# Altium PCB Booster_Main_Board.PcbDoc (part 6 of 13)
Units mm, origin at the board's own origin, x right, y up, seen from the top; angles counter-clockwise.
Board outline 400.01 x 117.51 mm, 4 copper layers (Component Side, Signal Layer 1, Power Plane, Solder Side), stack 1.604 mm thick; 1091 components, 573 nets, 3133 pads, 1954 vias.
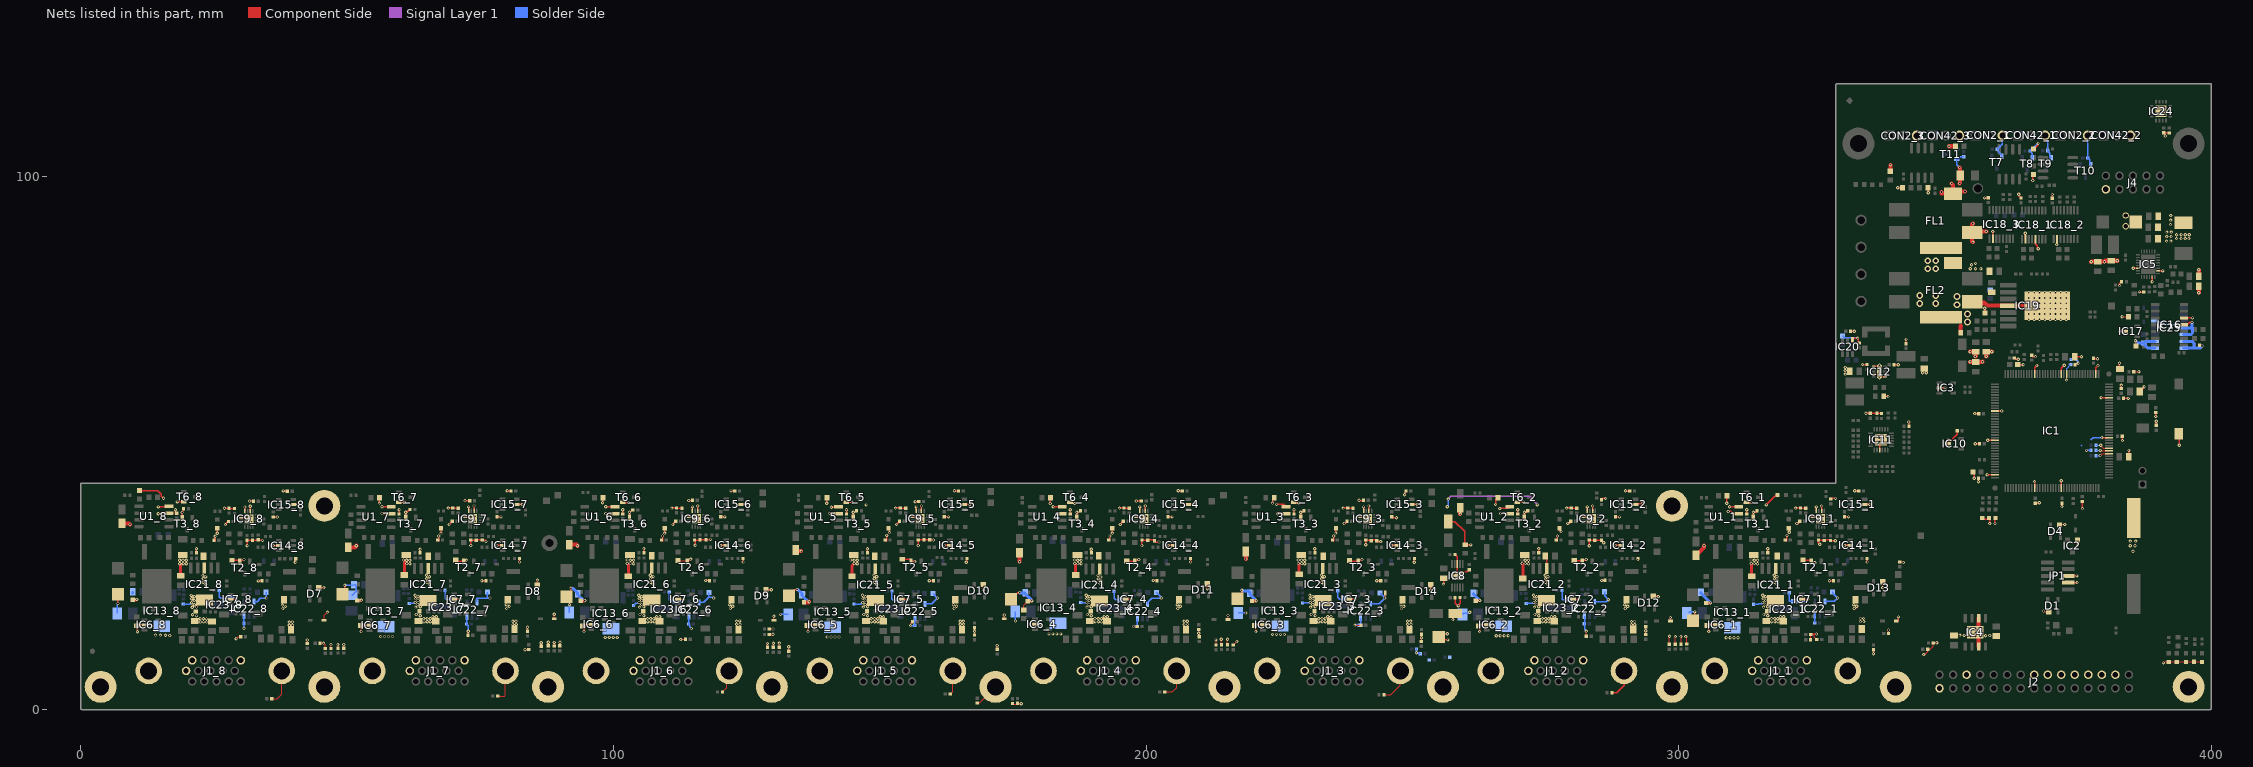
[diagram p8: the nets of this part, all layers, seen from the top]

## Via types
v1: diameter 0.6, hole 0.3, Component Side to Solder Side, tented both sides, 1808 vias
v2: diameter 0.6, hole 0.3, Component Side to Solder Side, 77 vias
v3: diameter 0.5, hole 0.3, Component Side to Solder Side, 40 vias
v4: diameter 1.27, hole 0.711, Component Side to Solder Side, tented both sides, 24 vias
v5: diameter 1.2, hole 0.8, Component Side to Solder Side, tented both sides, 5 vias

## Nets (pads, with @x,y where several pads share a name; then routed paths per layer and width w, separated by ;. In a path a pad name is that pad's centre, name@x,y a point inside that pad or via, vN(x,y) a via of type N, cw(c..) or ccw(c..) an arc to the next point about the centre after c; other vN are vias at no path point) (continued)
GND: C1.2 C2.2 C3.2 C4.2 C5.2 C6.2 C7.2 C8.2 C9.2 C10.2 C11.2 C12.2 C13.2 C14.2 C15.2 C16.2 C17.1 C18.1 C19_1.1 C19_2.1 C19_3.1 C19_4.1 C19_5.1 C19_6.1 C19_7.1 C19_8.1 C20_1.1 C20_2.1 C20_3.1 C20_4.1 C20_5.1 C20_6.1 C20_7.1 C20_8.1 C21.1 C22.1 C24.1 C25.1 C28.1 C29.1 C30.1 C31.1 C32_1.1 C32_2.1 C32_3.1 C32_4.1 C32_5.1 C32_6.1 C32_7.1 C32_8.1 C33_1.1 C33_2.1 C33_3.1 C33_4.1 C33_5.1 C33_6.1 C33_7.1 C33_8.1 C34_1.1 C34_2.1 C34_3.1 C34_4.1 C34_5.1 C34_6.1 C34_7.1 C34_8.1 C36_1.1 C36_2.1 C36_3.1 C36_4.1 C36_5.1 C36_6.1 C36_7.1 C36_8.1 C37_1.1 C37_2.1 C37_3.1 C37_4.1 C37_5.1 C37_6.1 C37_7.1 C37_8.1 C38.1 C39_1.2 C39_2.2 C39_3.2 C39_4.2 C39_5.2 C39_6.2 C39_7.2 C39_8.2 C40.1 C41_1.1 C41_2.1 C41_3.1 C41_4.1 C41_5.1 C41_6.1 C41_7.1 C41_8.1 C42_1.2 C42_2.2 C42_3.2 C42_4.2 C42_5.2 C42_6.2 C42_7.2 C42_8.2 C43.2 C44_1.2 C44_2.2 C44_3.2 C44_4.2 C44_5.2 C44_6.2 C44_7.2 C44_8.2 C45_1.2 C45_2.2 C45_3.2 C45_4.2 C45_5.2 C45_6.2 C45_7.2 C45_8.2 C47_1.1 C47_2.1 C47_3.1 C47_4.1 C47_5.1 C47_6.1 C47_7.1 C47_8.1 C48_1.1 C48_2.1 C48_3.1 C48_4.1 C48_5.1 C48_6.1 C48_7.1 C48_8.1 C49_1.2 C49_2.2 C49_3.2 C49_4.2 C49_5.2 C49_6.2 C49_7.2 C49_8.2 C50.1 C51.1 C52.2 C53.2 C54.2 C55.1 C56.1 C57.1 C58.1 C60_1.1 C60_2.1 C60_3.1 C60_4.1 C60_5.1 C60_6.1 C60_7.1 C60_8.1 C61.2 C63.1 C64.1 C65.2 C66.1 C67_1.2 C67_2.2 C67_3.2 C67_4.2 C67_5.2 C67_6.2 C67_7.2 C67_8.2 C68.1 C69.1 C70.1 C73_1.2 C73_2.2 C73_3.2 C73_4.2 C73_5.2 C73_6.2 C73_7.2 C73_8.2 C74.1 C75.1 C76.1 C77_1.2 C77_2.2 C77_3.2 C77_4.2 C77_5.2 C77_6.2 C77_7.2 C77_8.2 C78_1.2 C78_2.2 C78_3.2 C78_4.2 C78_5.2 C78_6.2 C78_7.2 C78_8.2 C79_1.2 C79_2.2 C79_3.2 C79_4.2 C79_5.2 C79_6.2 C79_7.2 C79_8.2 C80_1.2 C80_2.2 C80_3.2 C80_4.2 C80_5.2 C80_6.2 C80_7.2 C80_8.2 C81_1.2 C81_2.2 C81_3.2 C81_4.2 C81_5.2 C81_6.2 C81_7.2 C81_8.2 C82_1.2 C82_2.2 C82_3.2 C82_4.2 C82_5.2 C82_6.2 C82_7.2 C82_8.2 C83_1.2 C83_2.2 C83_3.2 C83_4.2 C83_5.2 C83_6.2 C83_7.2 C83_8.2 C84_1.2 C84_2.2 C84_3.2 C84_4.2 C84_5.2 C84_6.2 C84_7.2 C84_8.2 C85_1.2 C85_2.2 C85_3.2 C85_4.2 C85_5.2 C85_6.2 C85_7.2 C85_8.2 C86_1.2 C86_2.2 C86_3.2 C86_4.2 C86_5.2 C86_6.2 C86_7.2 C86_8.2 C87_1.2 C87_2.2 C87_3.2 C87_4.2 C87_5.2 C87_6.2 C87_7.2 C87_8.2 C88.1 C89_1.2 C89_2.2 C89_3.2 C89_4.2 C89_5.2 C89_6.2 C89_7.2 C89_8.2 C109_1.1 C109_2.1 C109_3.1 C110_1.1 C110_2.1 C110_3.1 C113_1.1 C113_2.1 C113_3.1 C122.1 C139.2 CON2_1.3 CON2_2.3 CON2_3.3 CON42_1.3 CON42_2.3 CON42_3.3 D1.1 D4.1 D6_1.1 D6_2.1 D6_3.1 D6_4.1 D6_5.1 D6_6.1 D6_7.1 D6_8.1 D7.1 D8.1 D9.1 D10.1 D11.1 D12.1 D13.1 D14.1 FL1.4 FL2.4 IC1.16 IC1.31 IC1.38 IC1.51 IC1.61 IC1.83 IC1.94 IC1.107 IC1.120 IC1.130 IC2.1 IC3.2 IC4.3 IC4.6 IC4.9 IC5.6 IC5.13 IC5.16 IC6_1.2 IC6_2.2 IC6_3.2 IC6_4.2 IC6_5.2 IC6_6.2 IC6_7.2 IC6_8.2 IC7_1.2 IC7_2.2 IC7_3.2 IC7_4.2 IC7_5.2 IC7_6.2 IC7_7.2 IC7_8.2 IC8.8 IC8.11 IC9_1.6 IC9_1.8 IC9_1.10 IC9_1.17 IC9_2.6 IC9_2.8 IC9_2.10 IC9_2.17 IC9_3.6 IC9_3.8 IC9_3.10 IC9_3.17 IC9_4.6 IC9_4.8 IC9_4.10 IC9_4.17 IC9_5.6 IC9_5.8 IC9_5.10 IC9_5.17 IC9_6.6 IC9_6.8 IC9_6.10 IC9_6.17 IC9_7.6 IC9_7.8 IC9_7.10 IC9_7.17 IC9_8.6 IC9_8.8 IC9_8.10 IC9_8.17 IC10.3 IC11.9 IC11.25 IC12.1 IC12.4 IC12.6 IC12.11 IC13_1.5 IC13_2.5 IC13_3.5 IC13_4.5 IC13_5.5 IC13_6.5 IC13_7.5 IC13_8.5 IC14_1.2 IC14_2.2 IC14_3.2 IC14_4.2 IC14_5.2 IC14_6.2 IC14_7.2 IC14_8.2 IC15_1.2 IC15_2.2 IC15_3.2 IC15_4.2 IC15_5.2 IC15_6.2 IC15_7.2 IC15_8.2 IC16.11 IC16.12 IC17.3 IC18_1.10 IC18_1.13 IC18_2.10 IC18_3.10 IC19.4 IC19.8 IC20.1 IC21_1.3 IC21_1.6 IC21_2.3 IC21_2.6 IC21_3.3 IC21_3.6 IC21_4.3 IC21_4.6 IC21_5.3 IC21_5.6 IC21_6.3 IC21_6.6 IC21_7.3 IC21_7.6 IC21_8.3 IC21_8.6 IC22_1.3 IC22_1.5 IC22_2.3 IC22_2.5 IC22_3.3 IC22_3.5 IC22_4.3 IC22_4.5 IC22_5.3 IC22_5.5 IC22_6.3 IC22_6.5 IC22_7.3 IC22_7.5 IC22_8.3 IC22_8.5 IC23_1.1 IC23_2.1 IC23_3.1 IC23_4.1 IC23_5.1 IC23_6.1 IC23_7.1 IC23_8.1 IC24.17 IC25.4 IC25.5 IC25.6 IC25.7 IC25.8 IC25.9 IC25.12 J1_1.6 J1_1.11 J1_1.15 J1_1.16 J1_1.17 J1_2.6 J1_2.11 J1_2.15 J1_2.16 J1_2.17 J1_3.6 J1_3.11 J1_3.15 J1_3.16 J1_3.17 J1_4.6 J1_4.11 J1_4.15 J1_4.16 J1_4.17 J1_5.6 J1_5.11 J1_5.15 J1_5.16 J1_5.17 J1_6.6 J1_6.11 J1_6.15 J1_6.16 J1_6.17 J1_7.6 J1_7.11 J1_7.15 J1_7.16 J1_7.17 J1_8.6 J1_8.11 J1_8.15 J1_8.16 J1_8.17 J2.3 J2.5 J2.7 J2.9 J2.11 J2.13 J2.15 J2.25 J2.30 J4.10 JP1.3 JP1.5 L3.2 LD1_1.1 LD1_2.1 LD1_3.1 LD1_4.1 LD1_5.1 LD1_6.1 LD1_7.1 LD1_8.1 LD2_1.1 LD2_2.1 LD2_3.1 LD2_4.1 LD2_5.1 LD2_6.1 LD2_7.1 LD2_8.1 LD3.1 LD5.1 LD9.1 LD10.1 LD11.1 LD12_1.2 LD12_2.2 LD12_3.2 LD12_4.2 LD12_5.2 LD12_6.2 LD12_7.2 LD12_8.2 LD16.1 LD17.1 LD18.2 LD19.1 pad.0 pad.1 pad.2 pad.3 pad.4 pad.5 pad.8 PB1.2 R2.1 R4.2 R9_1.1 R9_2.1 R9_3.1 R9_4.1 R9_5.1 R9_6.1 R9_7.1 R9_8.1 R13_1.1 R13_2.1 R13_3.1 R13_4.1 R13_5.1 R13_6.1 R13_7.1 R13_8.1 R16.1 R18.1 R31.1 R34_1.2 R34_2.2 R34_3.2 R34_4.2 R34_5.2 R34_6.2 R34_7.2 R34_8.2 R40_1.2 R40_2.2 R40_3.2 R40_4.2 R40_5.2 R40_6.2 R40_7.2 R40_8.2 R43_1.1 R43_2.1 R43_3.1 R43_4.1 R43_5.1 R43_6.1 R43_7.1 R43_8.1 R46_1.1 R46_2.1 R46_3.1 R46_4.1 R46_5.1 R46_6.1 R46_7.1 R46_8.1 R47.2 R48.1 R50_1.2 R50_2.2 R50_3.2 R50_4.2 R50_5.2 R50_6.2 R50_7.2 R50_8.2 R54.1 R59_1.2 R59_2.2 R59_3.2 R59_4.2 R59_5.2 R59_6.2 R59_7.2 R59_8.2 R66.1 R67.1 R69.1 R82.1 R85_1.1 R85_2.1 R85_3.1 R85_4.1 R85_5.1 R85_6.1 R85_7.1 R85_8.1 R86.1 R90_1.1 R90_2.1 R90_3.1 R90_4.1 R90_5.1 R90_6.1 R90_7.1 R90_8.1 R95.2 R97.1 R99.1 R118.2 R120.2 R121.2 R123_1.1 R123_2.1 R123_3.1 R123_4.1 R123_5.1 R123_6.1 R123_7.1 R123_8.1 R125.2 R134.1 R135.1 R136.1 R137.1 R138.1 R139.1 R143.1 T2_1.2 T2_2.2 T2_3.2 T2_4.2 T2_5.2 T2_6.2 T2_7.2 T2_8.2 T3_1.2 T3_2.2 T3_3.2 T3_4.2 T3_5.2 T3_6.2 T3_7.2 T3_8.2 T6_1.2 T6_2.2 T6_3.2 T6_4.2 T6_5.2 T6_6.2 T6_7.2 T6_8.2 T7.2 T8.2 T9.2 T10.2 T11.2 U1_1.3 U1_1.4 U1_2.3 U1_2.4 U1_3.3 U1_3.4 U1_4.3 U1_4.4 U1_5.3 U1_5.4 U1_6.3 U1_6.4 U1_7.3 U1_7.4 U1_8.3 U1_8.4 | length 841.3
  Component Side w0.152: v1(19.014,36.998) 19.291,37.274 R40_8.2@19.291,37.719 ; v1(29.159,13.284) 29.566,13.691 C67_8.2@30.03,13.691 ; R34_8.2@35.852,2.032 36.906,2.032 37.723,2.849 J1_8.17@37.723,7.254 ; v1(42.494,13.056) 42.52,13.03 C81_8.2@42.52,12.413 ; C80_8.2@44.9,12.471 v1(45.542,12.471) 45.872,12.141 C83_8.2@45.872,11.448 ; D6_8.1@45.314,16.738 D6_8.1@45.682,16.738 45.682,17.666 v1(46.304,18.288) ; C82_8.2@46.965,11.474 v1(46.965,12.192) ; v1(48.26,12.192) 48.285,12.167 C73_8.2@48.285,11.499 ; C79_8.2@49.352,11.499 v1(49.352,12.217) ; C67_7.2@72.702,13.919 72.702,14.688 v1(72.72,14.707) ; R34_7.2@78.27,2.54 79.578,2.54 79.723,2.685 J1_7.17@79.723,7.254 ; v1(83.388,11.227) 83.421,11.259 C80_7.2@84.125,11.259 ; C81_7.2@83.845,14.699 83.845,15.418 v1(83.871,15.443) ; C79_7.2@86.436,11.905 v1(86.436,12.548) ; C83_7.2@87.757,11.956 v1(87.757,12.624) ; v1@88.875,12.624 v1(88.9,12.598) C82_7.2@88.9,11.931 ; D6_7.1@88.879,17.018 v1(88.879,17.907) ; C73_7.2@89.941,11.956 89.941,12.624 v1(89.967,12.649) ; v1(103.014,37.027) 103.181,37.027 R40_6.2@103.619,37.465 ; R46_6.1@112.113,27.976 113.791,27.976 113.86,28.045 T2_6.2@113.86,27.82 114.073,28.033 114.325,28.033 v1(114.526,28.234) ; v1(112.649,13.132) 112.7,13.183 C67_6.2@113.52,13.183 ; R34_6.2@120.434,3.302 121.234,4.102 121.234,6.765 J1_6.17@121.723,7.254 ; C79_6.2@128.905,11.677 v1(128.905,12.421) ; C81_6.2@129.253,14.072 129.896,14.072 v1(129.946,14.122) ; C80_6.2@129.253,15.138 129.921,15.138 v1(129.946,15.113) ; C82_6.2@130.023,11.677 v1(130.023,12.446) ; 130.124,17.018 v1(130.124,17.526) ; C83_6.2@131.14,11.677 v1(131.14,12.471) ; C73_6.2@132.918,10.966 v1(132.918,11.786) ; v1(145.014,37.027) 145.307,37.027 145.618,37.338 R40_5.2@145.656,37.338 ; v1(155.782,15.754) 155.833,15.805 155.833,16.173 C67_5.2@156.128,16.469 ; R34_5.2@163.233,2.921 163.271,2.921 163.723,3.373 J1_5.17@163.723,7.254 ; C81_5.2@167.792,14.064 v1(167.792,14.681) C80_5.2@167.792,15.298 ; C79_5.2@168.285,1.246 168.72,1.246 pad.1@171.728,4.254 ; v1(172.034,12.014) 172.06,11.989 C83_5.2@172.06,11.321 ; D6_5.1@173.38,17.028 v1(173.38,17.747) ; C73_5.2@174.93,0.972 175.819,0.972 175.939,1.093 v1(176.548,1.093) ; R43_4.1@177.013,18.685 177.013,19.575 LD1_4.1@177.773,20.335 ; v1(187.014,37.027) 187.382,37.027 R40_4.2@187.693,37.338 ; v1(197.626,15.592) C67_4.2@198.325,15.592 ; R34_4.2@203.492,3.302 204.927,3.302 205.723,4.098 J1_4.17@205.723,7.254 ; C81_4.2@209.88,15.044 v1(209.88,14.326) 209.88,13.734 C80_4.2@209.956,13.658 ; v1(213.106,13.081) 213.131,13.056 C83_4.2@213.131,12.134 ; v1(214.097,13.183) 214.147,13.132 C79_4.2@214.147,12.159 ; C82_4.2@215.265,12.159 215.265,13.157 v1(215.29,13.183) ; D6_4.1@215.371,16.891 v1(215.371,17.653) ; C73_4.2@216.383,12.109 216.401,12.109 v1(217.043,12.751) ; v1(239.2,15.853) 240.308,15.853 C67_3.2@240.354,15.807 ; R34_3.2@244.64,2.794 245.948,2.794 247.723,4.569 J1_3.17@247.723,7.254 ; v1(244.823,20.933) 244.869,20.978 D6_3.1@244.869,21.886 ; C80_3.2@251.663,12.769 251.689,12.794 v1(251.689,13.462) C81_3.2@251.689,14.13 ; C87_2.2@254.954,13.646 255.542,14.235 v1(256.543,14.235) ; v1(282.626,14.732) 282.658,14.699 C67_2.2@282.658,13.767 ; C80_2.2@293.802,14.09 v1(293.802,14.808) C81_2.2@293.802,15.527 ; C73_2.2@298.221,12.236 298.221,13.691 v1(298.272,13.741) ; C83_2.2@299.339,12.261 299.339,13.665 v1(299.364,13.691) ; v1(300.406,13.691) 300.431,13.665 C79_2.2@300.431,12.261 ; v1(301.295,13.691) 301.523,13.462 C82_2.2@301.523,12.312 ; C82_1.2@324.732,13.081 324.732,14.052 R34_1.2@324.777,14.097 ; 325.45,14.097 325.45,13.596 C67_1.2@325.915,13.132 ; J1_1.17@331.386,7.254 J1_1.17@331.723,7.254 J1_1.17@332.723,7.254 ; v1(336.539,10.485) 336.575,10.521 C80_1.2@336.575,11.229 ; C79_1.2@339.362,14.275 339.365,14.278 v1(339.365,14.93) ; C81_1.2@341.482,27.708 342.141,27.708 342.163,27.686 v1(342.163,27.61) ; v1(345.999,10.312) 346.17,10.312 346.728,10.871 C73_1.2@346.728,11.303 347.201,11.303 347.795,11.897 C83_1.2@347.795,12.497 348.437,12.497 v1(348.463,12.522) ; v1(368.478,18.504) 368.628,18.354 D1.1@369.478,18.354 ; v1(370.948,87.281) 370.975,87.254 370.978,87.254 371.041,87.317 IC18_2.10@371.041,88.354 ; D4.1@371.478,34.654 371.578,34.754 v1(372.478,34.754) ; v1(383.228,73.754) R95.2@384.428,73.754 ; C1.2@385.412,63.398 v1(386.375,63.399) ; v1(385.728,69.254) 385.853,69.129 R97.1@385.853,68.254 ; v1(390.978,8.754) 391.153,8.929 LD18.2@391.978,8.929 LD17.1@393.478,8.929 LD16.1@395.228,8.929 LD3.1@398.228,8.929
  Component Side w0.254: C87_8.2@6.952,21.648 6.982,21.618 v1(6.982,19.901) ; R43_8.1@10.396,15.725 10.546,15.875 v1(12.989,15.875) ; R43_8.1@10.496,15.746 10.496,15.625 10.617,15.504 v1(10.617,14.605) ; R9_8.1@11.028,41.104 12.028,41.104 12.078,41.154 12.103,41.129 ; 12.103,41.104 14.448,41.104 15.108,40.445 15.108,40.087 v1(15.533,39.661) ; v1(14.542,36.766) U1_8.3@16.263,36.766 ; v1(14.541,38.036) U1_8.4@16.263,38.036 ; C20_8.1@17.755,36.696 v1(17.755,37.49) ; v1@17.972,38.989 18.017,39.034 T6_8.2@19.291,39.034 ; T3_8.2@19.014,36.024 v1(19.014,36.998) ; R13_8.1@21.708,29.431 v1(21.708,30.192) ; C39_8.2@25.001,31.801 25.21,31.592 v1(25.21,32.55) ; v1(25.629,33.096) LD12_8.2@25.629,34.024 LD12_8.2@25.629,34.049 ; v1(26.975,37.795) 26.993,37.813 C49_8.2@27.838,37.813 ; v1(27.153,34.722) 27.153,34.74 C44_8.2@27.719,35.306 ; C49_8.2@27.94,37.763 27.971,37.732 R59_8.2@28.931,37.732 ; IC7_8.2@28.113,20.672 v1(29.239,20.672) ; R46_8.1@28.378,28.021 28.382,28.016 29.86,28.016 T2_8.2@29.86,27.811 ; T2_8.2@29.86,27.791 T2_8.2@29.86,27.811 ; IC9_8.10@30.097,36.035 IC9_8.17@31.322,36.035 ; v1(30.646,28.161) 30.569,28.161 30.417,28.009 30.058,28.009 T2_8.2@29.86,27.811 ; v1(30.81,38.024) 30.822,38.012 IC9_8.8@30.822,37.26 ; v1(31.217,30.759) C48_8.1@31.217,31.783 32.233,31.783 32.258,31.808 32.287,31.779 C42_8.2@33.412,31.779 ; v1(31.727,39.159) 32.469,39.159 C47_8.1@32.44,39.129 ; IC9_8.6@31.822,37.26 v1(31.822,38.18) ; v1(33.299,24.155) R50_8.2@34.049,24.155 ; C42_8.2@33.332,31.859 C42_8.2@33.412,31.779 ; v1(34.112,31.75) 34.106,31.757 33.434,31.757 C42_8.2@33.412,31.779 ; R90_8.1@36.119,36.157 36.131,36.144 v1(36.881,36.144) ; v1(36.144,30.785) IC14_8.2@37.182,30.785 ; v1(38.024,41.046) 38.264,41.046 38.326,40.984 C60_8.1@38.776,40.984 ; IC15_8.2@39.876,38.484 39.896,38.504 v1(40.728,38.504) ; v1(40.228,27.654) 40.288,27.714 40.288,28.261 R85_8.1@40.348,28.321 ; D7.1@44.667,22.892 v1(45.634,22.892) ; C87_7.2@49.093,21.68 49.589,22.176 v1(49.589,23.317) ; LD1_7.1@51.719,20.306 LD1_7.1@51.9,20.487 ; R43_7.1@52.496,15.775 R43_7.1@52.396,15.775 ; R43_7.1@52.496,15.925 R43_7.1@52.395,15.824 ; v1(52.617,14.655) R43_7.1@52.617,15.554 ; R43_7.1@52.617,15.7 R43_7.1@52.617,15.554 ; R43_7.1@52.719,15.402 52.719,15.452 R43_7.1@52.617,15.554 ; IC6_7.2@54.187,15.824 R43_7.1@52.395,15.824 ; v1(56.058,38.76) 56.058,39.73 R9_7.1@56.063,39.735 ; v1(56.541,38.065) U1_7.4@58.263,38.065 ; v1(56.542,36.795) U1_7.3@58.263,36.795 ; T6_7.2@59.713,38.91 59.716,38.913 v1(60.706,38.913) ; C20_7.1@59.755,36.725 v1(59.755,37.519) ; T3_7.2@61.014,36.053 v1(61.014,37.027) 61.234,37.027 61.774,37.567 R40_7.2@61.836,37.567 ; v1(63.703,30.099) 63.703,29.465 R13_7.1@63.708,29.46 ; C39_7.2@67.001,31.83 67.21,31.621 v1(67.21,32.579) ; v1(67.629,33.125) LD12_7.2@67.629,34.053 LD12_7.2@67.629,34.078 ; v1(68.975,37.824) 68.993,37.842 C49_7.2@69.838,37.842 ; v1(69.153,34.751) 69.153,34.769 C44_7.2@69.719,35.335 ; C49_7.2@69.94,37.792 69.971,37.761 R59_7.2@70.931,37.761 ; IC7_7.2@70.113,20.701 v1(71.239,20.701) ; R46_7.1@70.378,28.05 70.608,27.82 T2_7.2@71.86,27.82 71.86,28.045 72.505,28.045 72.514,28.054 v1(72.428,28.054) ; v1@72.017,39.113 72.103,39.199 C47_7.1@73.007,39.199 ; IC9_7.10@72.097,36.064 IC9_7.17@73.322,36.064 ; v1(72.81,38.053) 72.822,38.041 IC9_7.8@72.822,37.289 ; v1(73.217,30.788) C48_7.1@73.217,31.812 74.233,31.812 74.258,31.837 C41_7.1@75.362,31.837 ; IC9_7.6@73.822,37.289 v1(73.822,38.209) ; v1(75.299,24.184) R50_7.2@76.049,24.184 ; C41_7.1@75.362,31.786 75.396,31.752 v1@76.156,31.752 ; v1(76.065,31.567) v1@76.065,31.661 ; R90_7.1@78.119,36.186 78.131,36.173 v1(78.881,36.173) ; v1(78.144,30.814) IC14_7.2@79.182,30.814 ; v1(80.024,41.075) 80.264,41.075 80.326,41.013 C60_7.1@80.776,41.013 ; IC15_7.2@81.876,38.513 v1(82.872,38.513) ; v1(82.348,27.702) R85_7.1@82.348,28.35 ; D8.1@85.713,23.324 85.713,24.296 v1(85.725,24.308) ; C87_6.2@91.229,21.204 92.028,22.003 v1(92.028,22.804) ; v1(94.478,14.634) R43_6.1@94.478,15.533 ; R43_6.1@94.478,15.679 R43_6.1@94.478,15.533 ; R43_6.1@94.579,15.381 94.579,15.431 R43_6.1@94.478,15.533 ; v1(96.891,15.904) 94.356,15.904 94.206,15.754 94.256,15.754 R43_6.1@94.478,15.533 ; v1(97.968,38.811) 97.968,39.64 R9_6.1@98.063,39.735 ; v1(98.541,38.065) U1_6.4@100.263,38.065 ; v1(98.542,36.795) U1_6.3@100.263,36.795 ; T6_6.2@101.713,38.91 101.761,38.862 v1(102.845,38.862) ; C20_6.1@101.755,36.725 v1(101.755,37.519) ; T3_6.2@103.014,36.053 v1(103.014,37.027) ; R13_6.1@105.708,29.46 v1(105.708,30.221) ; C39_6.2@109.001,31.83 109.21,31.621 v1(109.21,32.579) ; v1(109.629,33.125) LD12_6.2@109.629,34.053 LD12_6.2@109.629,34.078 ; v1(110.975,37.824) 110.993,37.842 C49_6.2@111.838,37.842 ; v1(111.153,34.751) 111.153,34.769 C44_6.2@111.719,35.335 ; C49_6.2@111.94,37.792 111.971,37.761 R59_6.2@112.931,37.761 ; IC7_6.2@112.113,20.701 112.159,20.656 113.051,20.656 v1(113.096,20.61) ; IC9_6.10@114.097,36.064 IC9_6.17@115.322,36.064 ; v1(114.149,39.237) 114.801,39.237 C47_6.1@114.848,39.284 ; v1(114.81,38.053) 114.822,38.041 IC9_6.8@114.822,37.289 ; v1(115.328,30.854) 115.328,31.7 C48_6.1@115.217,31.812 116.233,31.812 116.258,31.837 117.905,31.837 117.949,31.881 118.16,31.881 v1(118.227,31.948) ; IC9_6.6@115.822,37.289 v1(115.822,38.209) ; v1(117.328,24.254) 117.979,24.254 R50_6.2@118.049,24.184 ; R90_6.1@120.119,36.186 120.131,36.173 v1(120.881,36.173) ; v1(120.144,30.814) IC14_6.2@121.182,30.814 ; v1(122.072,41.046) 122.743,41.046 C60_6.1@122.776,41.013 ; IC15_6.2@123.876,38.513 v1(124.872,38.513) ; v1(124.348,27.702) R85_6.1@124.348,28.35 ; D9.1@128.639,22.511 129.632,22.511 v1(129.639,22.504) ; C87_5.2@132.918,21.405 132.918,21.455 133.916,22.453 133.966,22.453 134.011,22.497 134.395,22.497 v1(134.457,22.56) ; v1(136.519,14.634) R43_5.1@136.519,15.533 ; R43_5.1@136.519,15.679 R43_5.1@136.519,15.533 ; R43_5.1@136.621,15.381 136.621,15.431 R43_5.1@136.519,15.533 ; v1(138.932,15.904) IC6_5.2@137.963,15.904 136.398,15.904 136.248,15.754 136.298,15.754 R43_5.1@136.519,15.533 ; v1(140.056,38.735) 140.056,39.743 R9_5.1@140.063,39.735 ; v1(140.542,36.795) U1_5.3@142.263,36.795 ; v1(140.919,37.973) 142.171,37.973 U1_5.4@142.263,38.065 ; T6_5.2@143.713,38.91 143.741,38.938 v1(144.755,38.938) ; C20_5.1@143.755,36.725 v1(143.755,37.519) ; T3_5.2@145.014,36.053 v1(145.014,37.027) ; v1(147.676,30.201) 147.676,29.493 R13_5.1@147.708,29.46 ; C39_5.2@151.001,31.83 151.21,31.621 151.308,31.719 v1(151.308,32.69) ; LD12_5.2@151.629,34.078 151.816,33.891 v1(151.816,33.223) ; v1(152.975,37.824) 152.993,37.842 C49_5.2@153.838,37.842 ; v1(153.153,34.751) 153.153,34.769 C44_5.2@153.719,35.335 ; C49_5.2@153.94,37.792 153.971,37.761 R59_5.2@154.931,37.761 ; IC7_5.2@154.113,20.701 v1(155.239,20.701) ; R46_5.1@154.19,28.21 155.662,28.21 155.86,28.012 T2_5.2@155.86,27.82 v1(156.596,27.82) ; IC9_5.10@156.097,36.064 IC9_5.17@157.322,36.064 ; v1(156.627,39.018) 157.263,39.018 C47_5.1@157.31,39.065 ; v1(156.81,38.053) 156.822,38.041 IC9_5.8@156.822,37.289 ; v1(157.217,30.788) C48_5.1@157.217,31.812 157.263,31.858 C41_5.1@158.293,31.858 160.036,31.858 v1(160.064,31.83) ; IC9_5.6@157.822,37.289 v1(157.822,38.209) ; v1(159.299,24.184) R50_5.2@160.049,24.184 ; R90_5.1@162.119,36.186 162.131,36.173 v1(162.881,36.173) ; v1(162.144,30.814) IC14_5.2@163.182,30.814 ; v1(164.024,41.075) 164.264,41.075 164.326,41.013 C60_5.1@164.776,41.013 ; IC15_5.2@165.876,38.513 v1(166.872,38.513) ; v1(166.228,27.654) 166.288,27.714 166.288,28.29 R85_5.1@166.348,28.35 ; D10.1@169.431,23.477 169.431,22.516 v1(169.469,22.479) ; C87_4.2@174.656,20.704 175.917,21.965 v1(176.242,21.965) ; IC6_4.2@179.109,16.01 v1(180.184,16.01) ; v1(182.016,38.684) 182.016,39.688 R9_4.1@182.063,39.735 ; v1(182.541,38.065) U1_4.4@184.263,38.065 ; v1(183.228,36.754) 184.222,36.754 U1_4.3@184.263,36.795 ; T6_4.2@185.713,38.91 185.914,38.71 v1(186.614,38.71) ; C20_4.1@185.755,36.725 v1(185.755,37.519) ; T3_4.2@187.014,36.053 v1(187.014,37.027) ; v1(189.687,30.099) 189.687,29.481 R13_4.1@189.708,29.46 ; C39_4.2@193.001,31.83 193.21,31.83 v1(193.21,32.579) ; v1(193.629,33.125) LD12_4.2@193.629,34.053 LD12_4.2@193.629,34.078 ; v1(194.975,37.824) 194.993,37.842 C49_4.2@195.838,37.842 ; v1(195.153,34.751) 195.153,34.769 C44_4.2@195.719,35.335 ; C49_4.2@195.94,37.792 195.971,37.761 R59_4.2@196.931,37.761 ; IC7_4.2@196.113,20.701 v1(197.239,20.701) ; R46_4.1@196.378,27.877 196.435,27.82 T2_4.2@197.86,27.82 197.86,28.045 198.505,28.045 v1(198.632,28.172) ; IC9_4.10@198.097,36.064 IC9_4.17@199.322,36.064 ; v1(198.131,39.159) 199.017,39.159 199.064,39.112 C47_4.1@199.111,39.159 ; v1(198.81,38.053) 198.822,38.041 IC9_4.8@198.822,37.289 ; v1(199.217,30.788) C48_4.1@199.217,31.812 200.233,31.812 200.258,31.837 C42_4.2@201.571,31.837 ; IC9_4.6@199.822,37.289 v1(199.822,38.209) ; v1(201.328,24.254) 201.979,24.254 R50_4.2@202.049,24.184 ; C42_4.2@201.571,31.7 201.825,31.446 v1(202.413,31.446) ; R90_4.1@204.119,36.186 204.131,36.173 v1(204.881,36.173) ; v1(204.144,30.814) IC14_4.2@205.182,30.814 ; v1(206.024,41.075) 206.264,41.075 206.326,41.013 C60_4.1@206.776,41.013 ; IC15_4.2@207.876,38.513 207.95,38.439 208.064,38.554 208.091,38.527 v1(208.928,38.527) ; v1(208.348,27.702) R85_4.1@208.348,28.35 ; D11.1@211.494,23.604 211.506,23.592 v1(211.506,22.657) ; C87_3.2@217.147,20.815 217.982,21.65 v1(217.982,22.409) ; v1(220.617,14.634) R43_3.1@220.617,15.533 ; R43_3.1@220.617,15.679 R43_3.1@220.617,15.533 ; R43_3.1@220.719,15.381 220.719,15.431 R43_3.1@220.617,15.533 ; v1(223.03,15.904) IC6_3.2@221.947,15.904 220.496,15.904 R43_3.1@220.346,15.754 220.396,15.754 R43_3.1@220.617,15.533 ; v1(223.728,38.754) 223.728,39.298 224.13,39.7 224.079,39.751 R9_3.1@224.063,39.735 ; v1(224.478,38.504) 225.824,38.504 U1_3.4@226.263,38.065 ; v1(224.728,36.754) 226.222,36.754 U1_3.3@226.263,36.795 ; T6_3.2@227.713,38.91 227.837,38.786 v1(228.651,38.786) ; C20_3.1@227.755,36.725 v1(227.755,37.519) ; T3_3.2@229.014,36.053 v1(229.014,37.027) 229.329,37.027 229.603,37.301 R40_3.2@229.603,37.338 ; v1(231.673,30.201) 231.673,29.495 R13_3.1@231.708,29.46 ; C39_3.2@235.001,31.83 235.21,31.621 v1(235.21,32.579) ; v1(235.629,33.125) LD12_3.2@235.629,34.053 LD12_3.2@235.629,34.078 ; v1(236.975,37.824) 236.993,37.842 C49_3.2@237.838,37.842 ; v1(237.16,34.925) 237.309,34.925 C44_3.2@237.719,35.335 ; C49_3.2@237.94,37.792 237.971,37.761 R59_3.2@238.931,37.761 ; IC7_3.2@238.113,20.701 v1(239.239,20.701) ; R46_3.1@238.19,27.978 238.348,27.82 T2_3.2@239.86,27.82 239.86,28.045 240.505,28.045 240.528,28.068 v1(240.528,28.154) ; v1@239.97,39.232 240.757,39.232 C47_3.1@240.804,39.28 ; IC9_3.10@240.097,36.064 241.322,36.064 v3(241.572,35.814) ; v1(240.81,38.053) 240.822,38.041 IC9_3.8@240.822,37.289 ; v1(241.228,30.954) 241.228,31.8 C48_3.1@241.217,31.812 242.233,31.812 242.258,31.837 C41_3.1@243.476,31.837 ; IC9_3.6@241.822,37.289 v1(241.822,38.209) ; C41_3.1@243.287,31.532 v1(244.064,31.532) ; v1(243.299,24.184) R50_3.2@244.049,24.184 ; R90_3.1@246.119,36.186 246.301,36.004 v1(246.978,36.004) ; v1(246.144,30.814) IC14_3.2@247.182,30.814 ; v1(248.526,40.313) 248.526,40.642 C60_3.1@248.853,40.969 ; IC15_3.2@249.876,38.513 v1(250.872,38.513) ; v1(250.328,27.654) 250.328,28.33 R85_3.1@250.348,28.35 ; D14.1@253.429,23.4 253.429,22.415 v1(253.441,22.403) ; C87_2.2@254.954,13.646 255.518,13.081 v1(256.648,13.081) ; v1(255.854,23.548) C40.1@255.854,24.671 ; C43.2@256.728,35.301 257.935,35.301 259.776,33.46 259.776,31.102 R54.1@259.928,30.95 259.974,30.904 v1(260.934,30.904) ; C139.2@257.553,18.032 257.6,17.986 v1(257.6,16.882) ; C122.1@257.991,20.992 257.991,19.952 258.489,19.454 258.954,19.919 R48.1@258.954,21.029 ; R47.2@258.011,29.115 258.311,28.815 258.428,28.815 IC8.8@258.428,27.315 IC8.11@258.428,25.115 259.141,25.828 260.219,25.828 260.642,26.252 R86.1@260.662,26.252 ; v1(262.617,14.634) R43_2.1@262.617,15.533 ; R43_2.1@262.617,15.679 R43_2.1@262.617,15.533 ; R43_2.1@262.719,15.381 262.719,15.431 R43_2.1@262.617,15.533 ; v1(265.03,15.904) IC6_2.2@263.947,15.904 262.496,15.904 262.346,15.754 262.396,15.754 R43_2.1@262.617,15.533 ; v1(265.608,38.506) 265.608,39.28 R9_2.1@266.063,39.735 ; v1(266.395,37.77) 267.968,37.77 U1_2.4@268.263,38.065 ; v1(266.542,36.795) U1_2.3@268.263,36.795 ; T6_2.2@269.713,38.91 269.792,38.989 v1(270.84,38.989) ; C20_2.1@269.755,36.725 v1(269.755,37.519) ; T3_2.2@271.014,36.053 v1(271.014,37.027) 271.407,37.027 271.64,37.259 R40_2.2@271.64,37.338 ; R13_2.1@273.708,29.46 v1(273.708,30.221) ; C78_2.2@274.969,28.829 275.188,28.61 IC21_2.3@275.188,26.56 ; C39_2.2@277.001,31.83 277.21,31.621 v1(277.21,32.579) ; LD12_2.2@277.629,34.053 277.629,33.674 v1(277.901,33.401) ; LD12_2.2@277.629,34.078 LD12_2.2@277.641,34.065 ; v1(278.975,37.824) 278.993,37.842 C49_2.2@279.838,37.842 ; v1(279.171,34.95) 279.283,34.95 279.309,34.925 C44_2.2@279.719,35.335 ; C49_2.2@279.94,37.792 279.971,37.761 R59_2.2@280.931,37.761 ; IC7_2.2@280.113,20.701 v1(281.239,20.701) ; R46_2.1@280.378,27.968 281.712,27.968 T2_2.2@281.86,27.82 281.86,28.045 282.505,28.045 v1(282.632,28.172) ; IC9_2.10@282.097,36.064 283.322,36.064 v3(283.572,35.814) ; v1(282.81,38.053) 282.822,38.041 IC9_2.8@282.822,37.289 ; v1(283.21,30.759) 283.21,31.805 C48_2.1@283.217,31.812 284.233,31.812 C41_2.1@284.258,31.837 ; IC9_2.6@283.822,37.289 v1(283.822,38.209) ; C41_2.1@284.213,31.762 284.263,31.812 285.427,31.812 C42_2.2@285.476,31.762 285.914,31.324 v1(285.914,31.302) ; C47_2.1@285.476,39.404 285.429,39.451 C47_2.1@285.65,39.672 ; v1(285.528,24.254) 285.972,24.254 286.045,24.181 R50_2.2@286.049,24.184 ; C47_2.1@285.686,39.636 v1(286.26,39.636) ; R34_2.2@287.439,3.175 288.366,3.175 289.723,4.532 J1_2.17@289.723,7.254 ; R90_2.1@288.119,36.186 288.131,36.173 v1(288.881,36.173) ; v1(288.144,30.814) IC14_2.2@289.182,30.814 ; v1(290.024,41.075) 290.264,41.075 290.326,41.013 C60_2.1@290.776,41.013 ; IC15_2.2@291.876,38.513 292.049,38.686 292.066,38.669 293.151,38.669 v1(293.218,38.735) ; v1(292.328,28.154) 292.328,28.33 R85_2.1@292.348,28.35 ; D12.1@295.238,21.241 296.081,21.241 v1(296.139,21.184) ; D6_2.1@298.429,16.637 v1(298.429,17.272) ; C87_1.2@302.702,16.688 302.986,16.972 v1(302.986,18.322) ; v1(305.617,14.634) R43_1.1@305.617,15.533 ; R43_1.1@305.617,15.679 R43_1.1@305.617,15.533 ; R43_1.1@305.719,15.381 305.719,15.431 R43_1.1@305.617,15.533 ; v1(308.03,15.904) 305.496,15.904 R43_1.1@305.346,15.754 305.396,15.754 R43_1.1@305.617,15.533 ; v1(308.991,38.735) 308.991,39.663 R9_1.1@309.063,39.735 ; v1(309.304,37.18) 309.731,37.18 310.116,36.795 U1_1.3@311.263,36.795 ; v1(309.541,38.065) U1_1.4@311.263,38.065 ; T6_1.2@312.713,38.91 312.761,38.862 v1(313.639,38.862) ; C20_1.1@312.755,36.725 v1(312.755,37.519) ; T3_1.2@314.014,36.053 v1(314.014,37.027) 314.072,37.084 314.439,37.084 R40_1.2@314.693,37.338 ; v1(316.433,38.413) 318.032,40.012 318.245,40.012 LD5.1@318.518,40.285 ; v1(316.687,30.201) 316.687,29.481 R13_1.1@316.708,29.46 ; C39_1.2@320.001,31.83 320.21,31.621 320.311,31.722 320.311,32.682 v1(320.319,32.69) ; LD12_1.2@320.629,34.078 320.751,33.955 v1(320.751,33.299) ; v1(321.975,37.824) 321.993,37.842 C49_1.2@322.838,37.842 ; v1(322.148,34.925) 322.309,34.925 C44_1.2@322.719,35.335 ; C49_1.2@322.94,37.792 322.971,37.761 R59_1.2@323.931,37.761 ; IC7_1.2@323.113,20.701 v1(324.239,20.701) ; R46_1.1@323.328,28.048 324.662,28.048 324.86,27.85 T2_1.2@324.86,27.82 324.86,27.722 325.029,27.554 v1(325.528,27.554) ; R34_1.2@324.777,14.097 325.45,14.097 325.45,14.224 325.501,14.173 v1(325.847,14.173) ; IC9_1.10@325.097,36.064 326.322,36.064 v3(326.572,35.814) ; v1(325.81,38.053) 325.822,38.041 IC9_1.8@325.822,37.289 ; v1(326.466,31.039) 326.217,31.288 C48_1.1@326.217,31.812 327.233,31.812 327.258,31.837 C42_1.2@328.54,31.837 ; IC9_1.6@326.822,37.289 v1(326.822,38.209) ; v1(328.299,24.184) R50_1.2@329.049,24.184 ; C42_1.2@328.476,31.677 329.362,31.677 v1(329.387,31.703) ; C47_1.1@328.54,39.515 328.426,39.63 v1(329.425,39.63) ; R90_1.1@331.119,36.186 331.131,36.173 v1(331.881,36.173) ; v1(331.144,30.814) IC14_1.2@332.182,30.814 ; C50.1@332.239,71.004 v1(332.937,71.004) ; IC20.1@332.649,69.429 332.649,69.581 332.797,69.729 v1(333.574,69.729) 333.574,69.635 333.694,69.515 333.694,69.012 C51.1@333.877,68.829 ; v1(333.024,41.075) 333.264,41.075 333.326,41.013 C60_1.1@333.776,41.013 ; 333.4,19.05 333.438,19.012 ; 333.405,19.05 v1(333.405,19.384) ; v1(334.467,64.795) 334.5,64.763 C57.1@335.356,64.763 ; IC15_1.2@334.876,38.513 v1(335.872,38.513) ; v1@335.154,55.627 R67.1@337.219,55.627 R69.1@338.219,55.627 ; v1(335.348,27.702) R85_1.1@335.348,28.35 ; IC12.4@336.623,62.959 337.33,62.959 337.673,63.302 IC12.11@337.673,63.459 ; IC12.1@336.623,64.459 337.471,64.459 IC12.11@337.49,64.44 ; IC11.9@337.719,48.707 337.719,50.407 IC11.25@337.969,50.657 ; IC12.11@337.922,62.509 337.972,62.459 IC12.6@338.723,62.459 ; D13.1@338.265,23.985 338.265,22.872 v1(338.277,22.86) ; R82.1@338.468,58.801 339.242,58.801 v1(339.293,58.75) ; C55.1@340.454,64.719 v1(341.198,64.719) ; D6_1.1@340.847,16.637 341.198,16.637 341.236,16.675 v1(341.236,17.399) ; v1(341.103,97.954) C109_3.1@342.003,97.954 ; C65.2@342.646,68.7 342.646,69.469 v1(342.671,69.494) ; R66.1@343.189,53.157 v1(343.189,53.985) ; C110_3.1@346.803,97.979 346.803,97.054 v1(346.828,97.029) ; IC3.2@348.923,60.376 v1(349.973,60.376) ; IC10.3@350.62,49.907 350.62,50.573 v1(350.601,50.592) 351.156,50.592 352.291,51.727 C52.2@352.291,52.33 C52.2@352.26,52.361 ; C17.1@355.206,44.602 355.473,44.335 v1(355.473,43.434) ; v1(355.575,55.55) C8.2@356.293,55.55 C8.2@356.393,55.55 ; v1(355.651,49.886) C5.2@356.445,49.886 C5.2@356.545,49.886 ; v1(356.26,42.774) 356.26,43.301 C9.2@356.368,43.409 ; LD10.1@357.073,36.055 357.375,35.754 358.419,35.754 358.419,34.925 v1(358.394,34.9) ; v1(357.42,96.059) 357.5,95.979 C113_3.1@358.128,95.979 ; C70.1@357.423,74.479 C70.1@357.453,74.449 357.453,75.304 v1(357.428,75.329) ; v1(357.886,44.069) 357.906,44.049 IC1.107@359.353,44.049 ; v1(358.016,50.549) IC1.94@359.353,50.549 ; v1(358.928,89.729) 358.966,89.691 IC18_3.10@358.966,88.404 ; IC1.83@359.353,56.049 v1(360.645,56.049) ; v1(359.359,34.95) 359.359,35.649 LD11.1@359.766,36.055 ; C14.2@363.01,66.015 363.27,65.754 v1(363.727,65.754) ; C18.1@363.64,64.77 363.674,64.736 v1(364.638,64.736) ; v1(363.813,96.735) 363.813,96.495 C113_1.1@364.253,96.054 364.303,96.004 C113_1.1@364.253,95.954 ; v1(365.046,89.433) 365.046,89.521 365.066,89.541 IC18_1.10@365.066,88.304 ; C12.2@366.293,66.415 366.455,66.254 v1(366.977,66.254) ; v1(366.471,99.314) 366.471,100.292 C110_2.1@366.598,100.419 C110_2.1@366.692,100.513 ; C109_2.1@366.598,105.269 366.698,105.269 367.396,105.966 367.396,106.221 v1(367.462,106.288) ; IC1.120@366.803,41.599 v1(366.803,42.798) ; IC1.61@366.803,62.999 366.803,64.187 v1(367.233,64.618) ; C11.2@366.928,38.842 367.685,38.842 v1(367.69,38.837) ; IC18_1.13@366.971,88.304 366.971,87.413 367.312,87.071 367.312,86.645 367.449,86.508 v1(367.496,86.508) ; C113_2.1@370.125,95.889 C113_2.1@370.125,95.989 370.148,96.012 v1(370.148,96.694) ; IC1.130@371.803,41.599 v1(371.803,42.949) ; IC1.51@371.803,62.999 371.803,64.082 v1(372.364,64.643) ; v1(371.932,38.1) C13.2@371.932,38.742 C13.2@371.932,38.842 ; JP1.3@373.12,23.825 v1(374.777,23.825) ; JP1.5@373.12,25.095 v1(374.752,25.095) ; C10.2@374.305,66.218 v1(375.59,66.218) ; R2.1@374.51,64.745 374.77,65.004 v1(374.977,65.004) ; IC2.1@374.675,31.801 IC2.1@374.853,31.801 374.955,31.801 374.853,31.699 v1(374.853,30.861) ; R4.2@375.729,39.058 375.729,38.393 375.793,38.329 v1(375.793,37.719) ; C15.2@377.85,65.857 v1(378.607,65.857) ; IC1.38@378.303,62.999 378.303,64.155 v1(378.714,64.567) ; v1(379.297,58.549) IC1.31@380.753,58.549 ; v1(379.431,51.049) IC1.16@380.753,51.049 ; v1(382.741,65.004) 382.741,63.995 C28.1@382.837,63.899 ; v1(382.741,79.591) 382.741,79.903 382.728,79.916 383.13,80.317 R18.1@383.143,80.305 ; v1(382.803,70.979) IC17.3@383.528,70.979 ; C2.2@383.083,60.167 C2.2@383.083,60.267 v1(383.083,60.914) ; C6.2@383.179,51.283 383.286,51.175 v1(383.286,50.495) ; C7.2@383.407,58.522 C7.2@383.507,58.42 v1(384.378,58.42) ; v1(384.505,48.641) 384.516,48.63 C16.2@384.516,47.498 